# Altium PCB 0020-03_FFT2G.PcbDoc (part 10 of 16)
Units mm, origin at the board's own origin, x right, y up, seen from the top; angles counter-clockwise.
Board outline 195 x 104.5 mm, 12 copper layers (Top Layer, GND1, LVDS1, PWR1, LVDS2, PWR2, LVDS3, PWR3, SIG1, SIG2, GND2, Bottom Layer), stack 1.422 mm thick; 721 components, 650 nets, 4014 pads, 3497 vias.
Unrouted connection lines stored in the file: 78.
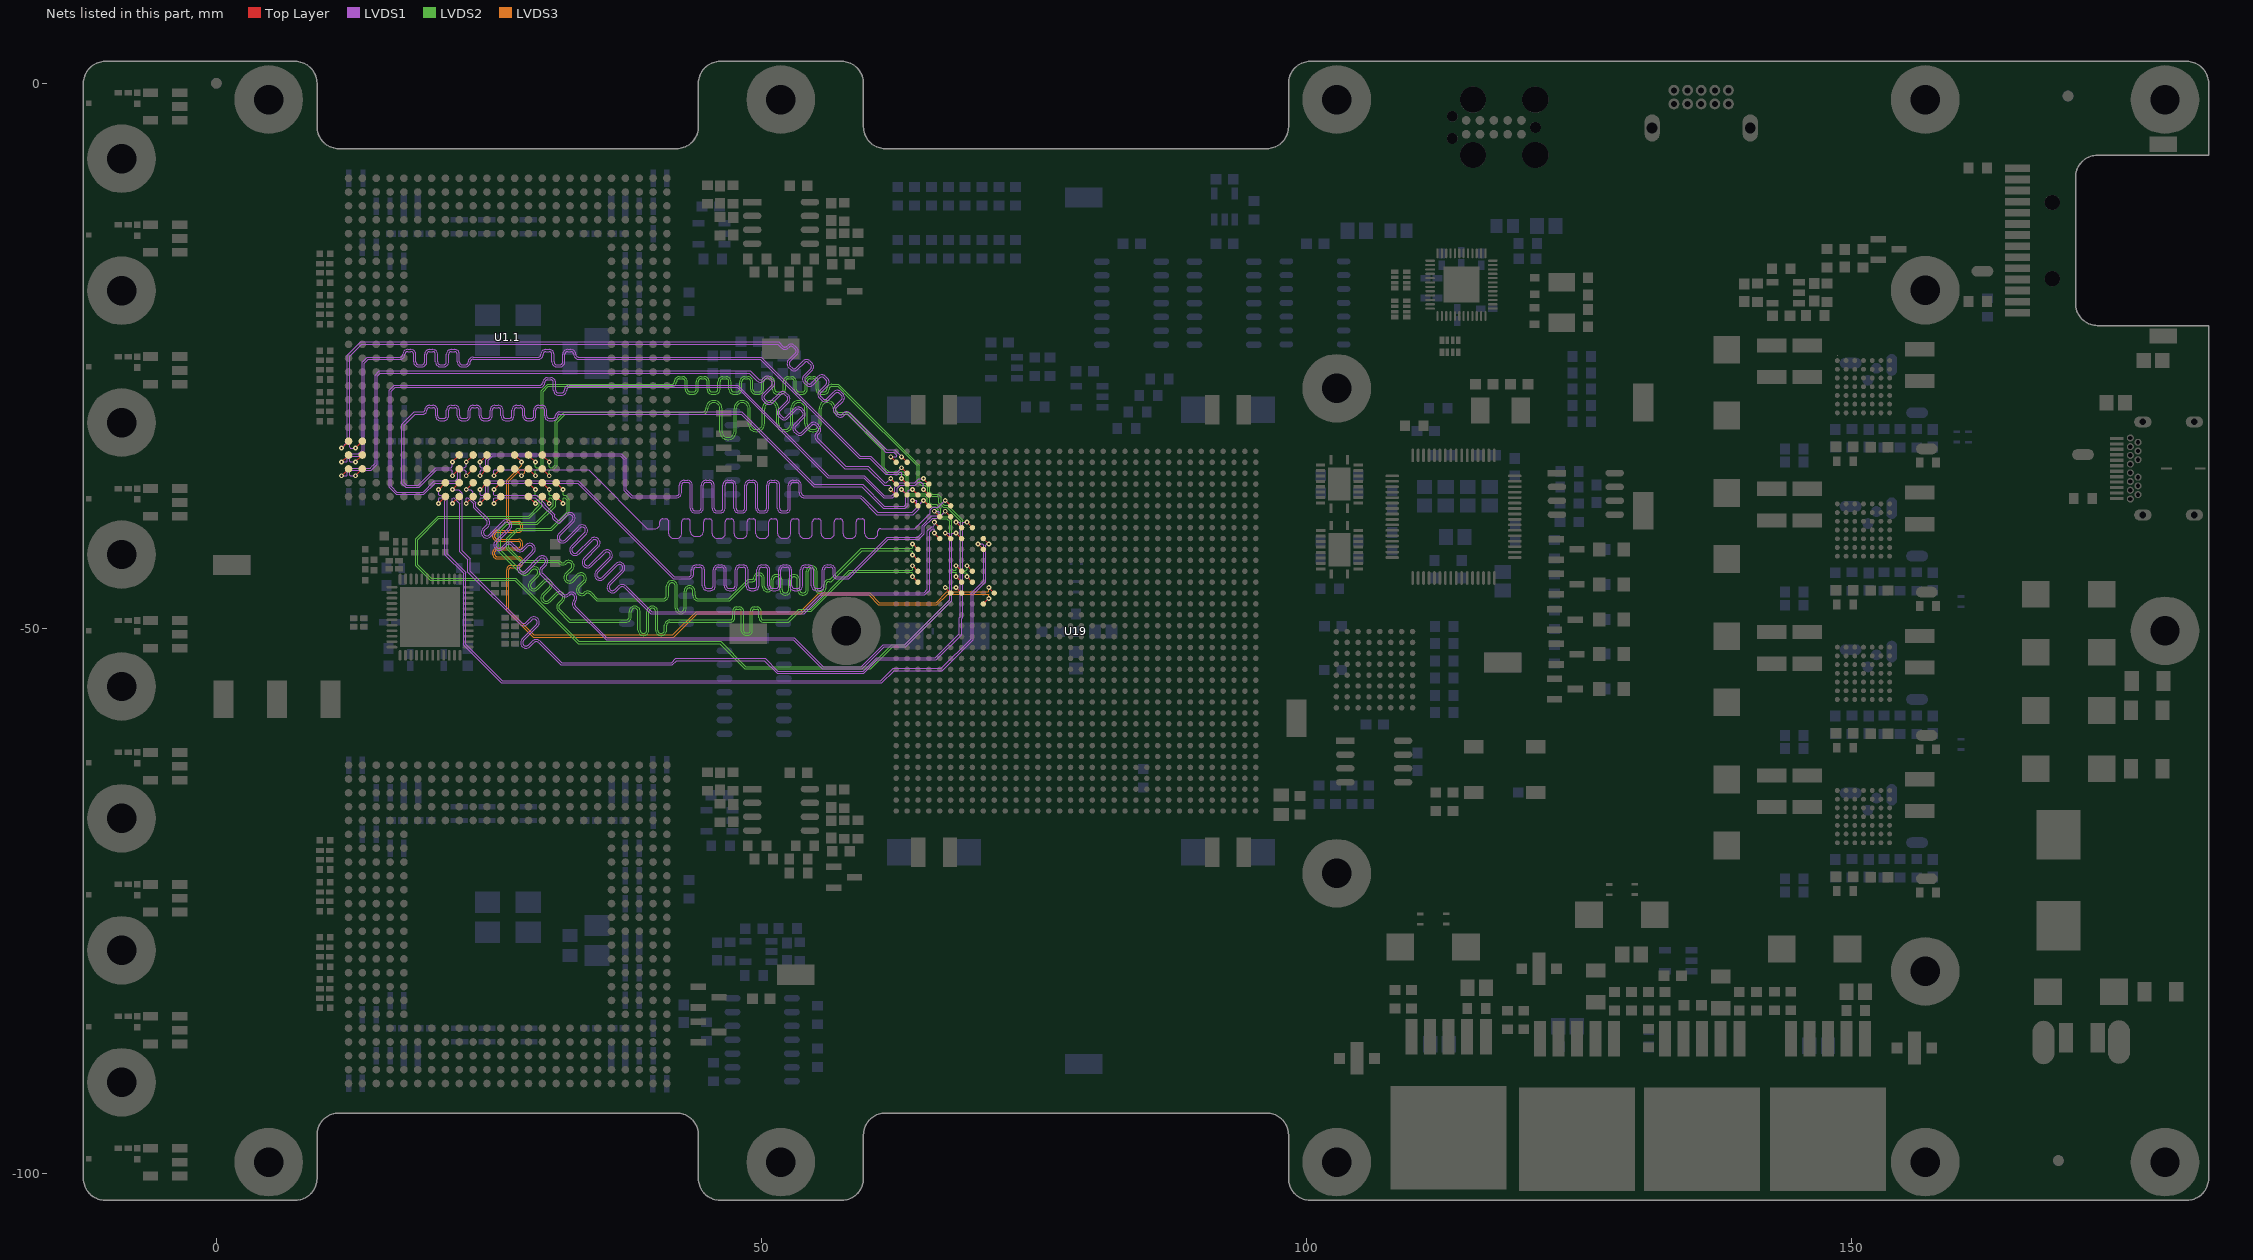
[diagram p20: the nets of this part, all layers, seen from the top]

## Via types
v1: diameter 0.45, hole 0.2, Top Layer to Bottom Layer, tented both sides, 3249 vias
v2: diameter 1, hole 0.5, Top Layer to Bottom Layer, tented both sides, 192 vias
v3: diameter 0.5, hole 0.2, Top Layer to Bottom Layer, tented both sides, 34 vias
v4: diameter 0.6, hole 0.3, Top Layer to Bottom Layer, tented both sides, 12 vias
v5: diameter 0.6, hole 0.2, Top Layer to Bottom Layer, tented both sides, 6 vias
v6: diameter 0.45/0.45/0.45/0.45/0.45/0.45/0.45 (per signal layer), hole 0.2, Top Layer to Bottom Layer, tented both sides, 4 vias

## Nets (pads, with @x,y where several pads share a name; then routed paths per layer and width w, separated by ;. In a path a pad name is that pad's centre, name@x,y a point inside that pad or via, vN(x,y) a via of type N, cw(c..) or ccw(c..) an arc to the next point about the centre after c; other vN are vias at no path point) (continued)
NA.0_P: U1.1.M3 U19.AJ29 | length 76
  Top Layer w0.1: v1(25.463,-36.022) U1.1.M3@26.098,-35.387 ; v1(66.875,-38.28) U19.AJ29@67.375,-38.78
  LVDS1 w0.1: v1(25.463,-36.022) 25.463,-35.545 25.522,-35.487 34.147,-35.487 39.535,-40.875 40.248,-40.875 ccw(c40.248,-40.425) 40.698,-40.425 40.698,-40.233 cw(c40.948,-40.233) 40.948,-39.983 41.248,-39.983 cw(c41.248,-40.233) 41.498,-40.233 41.498,-41.318 ccw(c41.948,-41.318) 41.948,-41.768 42.248,-41.768 ccw(c42.248,-41.318) 42.698,-41.318 42.698,-40.233 cw(c42.948,-40.233) 42.948,-39.983 43.248,-39.983 cw(c43.248,-40.233) 43.498,-40.233 43.498,-41.121 ccw(c43.948,-41.121) 43.948,-41.571 44.248,-41.571 ccw(c44.248,-41.121) 44.698,-41.121 44.698,-40.233 cw(c44.948,-40.233) 44.948,-39.983 45.248,-39.983 cw(c45.248,-40.233) 45.498,-40.233 45.498,-41.318 ccw(c45.948,-41.318) 45.948,-41.768 46.248,-41.768 ccw(c46.248,-41.318) 46.698,-41.318 46.698,-40.233 cw(c46.948,-40.233) 46.948,-39.983 47.248,-39.983 cw(c47.248,-40.233) 47.498,-40.233 47.498,-41.318 ccw(c47.948,-41.318) 47.948,-41.768 48.248,-41.768 ccw(c48.248,-41.318) 48.698,-41.318 48.698,-40.233 cw(c48.948,-40.233) 48.948,-39.983 49.248,-39.983 cw(c49.248,-40.233) 49.498,-40.233 49.498,-41.318 ccw(c49.948,-41.318) 49.948,-41.768 50.248,-41.768 ccw(c50.248,-41.318) 50.698,-41.318 50.698,-40.233 cw(c50.948,-40.233) 50.948,-39.983 51.248,-39.983 cw(c51.248,-40.233) 51.498,-40.233 51.498,-41.318 ccw(c51.948,-41.318) 51.948,-41.768 52.248,-41.768 ccw(c52.248,-41.318) 52.698,-41.318 52.698,-40.233 cw(c52.948,-40.233) 52.948,-39.983 53.248,-39.983 cw(c53.248,-40.233) 53.498,-40.233 53.498,-41.318 ccw(c53.948,-41.318) 53.948,-41.768 54.248,-41.768 ccw(c54.248,-41.318) 54.698,-41.318 54.698,-40.233 cw(c54.948,-40.233) 54.948,-39.983 55.248,-39.983 cw(c55.248,-40.233) 55.498,-40.233 55.498,-41.318 ccw(c55.948,-41.318) 55.948,-41.768 56.248,-41.768 ccw(c56.248,-41.318) 56.698,-41.318 56.698,-40.233 cw(c56.948,-40.233) 56.948,-39.983 57.248,-39.983 cw(c57.248,-40.233) 57.498,-40.233 57.498,-41.318 ccw(c57.948,-41.318) 57.948,-41.768 58.248,-41.768 ccw(c58.248,-41.318) 58.698,-41.318 58.698,-40.233 cw(c58.948,-40.233) 58.948,-39.983 59.248,-39.983 cw(c59.248,-40.233) 59.498,-40.233 59.498,-41.318 ccw(c59.948,-41.318) 59.948,-41.768 60.248,-41.768 ccw(c60.248,-41.318) 60.698,-41.318 60.698,-41.125 cw(c60.948,-41.125) 60.948,-40.875 64.093,-40.875 65.5,-39.468 65.5,-39.124 65.72,-38.905 66.25,-38.905 v1(66.875,-38.28)
NA.1_N: U1.1.L2 U19.AH30 | length 76
  Top Layer w0.1: v1(24.193,-37.292) U1.1.L2@24.828,-36.657 ; v1(65.875,-39.28) U19.AH30@66.375,-39.78
  LVDS1 w0.1: v1(24.193,-37.292) 24.193,-37.745 24.275,-37.827 24.482,-37.827 24.731,-37.577 24.731,-36.815 25.062,-36.485 33.218,-36.485 42.011,-45.278 43.342,-45.278 ccw(c43.342,-45.028) 43.592,-45.028 43.592,-44.656 cw(c44.042,-44.656) 44.042,-44.206 44.342,-44.206 cw(c44.342,-44.656) 44.792,-44.656 44.792,-46.1 ccw(c45.042,-46.1) 45.042,-46.35 45.342,-46.35 ccw(c45.342,-46.1) 45.592,-46.1 45.592,-44.656 cw(c46.042,-44.656) 46.042,-44.206 46.342,-44.206 cw(c46.342,-44.656) 46.792,-44.656 46.792,-46.1 ccw(c47.042,-46.1) 47.042,-46.35 47.342,-46.35 ccw(c47.342,-46.1) 47.592,-46.1 47.592,-44.656 cw(c48.042,-44.656) 48.042,-44.206 48.342,-44.206 cw(c48.342,-44.656) 48.792,-44.656 48.792,-46.1 ccw(c49.042,-46.1) 49.042,-46.35 49.342,-46.35 ccw(c49.342,-46.1) 49.592,-46.1 49.592,-44.656 cw(c50.042,-44.656) 50.042,-44.206 50.342,-44.206 cw(c50.342,-44.656) 50.792,-44.656 50.792,-46.1 ccw(c51.042,-46.1) 51.042,-46.35 51.342,-46.35 ccw(c51.342,-46.1) 51.592,-46.1 51.592,-44.656 cw(c52.042,-44.656) 52.042,-44.206 52.342,-44.206 cw(c52.342,-44.656) 52.792,-44.656 52.792,-46.1 ccw(c53.042,-46.1) 53.042,-46.35 53.342,-46.35 ccw(c53.342,-46.1) 53.592,-46.1 53.592,-44.656 cw(c54.042,-44.656) 54.042,-44.206 54.342,-44.206 cw(c54.342,-44.656) 54.792,-44.656 54.792,-46.1 ccw(c55.042,-46.1) 55.042,-46.35 55.342,-46.35 ccw(c55.342,-46.1) 55.592,-46.1 55.592,-44.656 cw(c56.042,-44.656) 56.042,-44.206 56.342,-44.206 cw(c56.342,-44.656) 56.792,-44.656 56.792,-45.157 ccw(c56.913,-45.157) 56.913,-45.278 57.947,-45.278 61.562,-41.663 64.342,-41.663 64.753,-41.252 64.753,-40.589 65.637,-39.704 66.153,-39.704 66.337,-39.521 66.337,-39.381 66.235,-39.28 v1(65.875,-39.28)
NA.1_P: U1.1.L1 U19.AH29 | length 76.1
  Top Layer w0.1: v1(24.193,-38.562) U1.1.L1@24.828,-37.927 ; v1(66.875,-39.28) U19.AH29@67.375,-39.78
  LVDS1 w0.1: v1(24.193,-38.562) 24.193,-38.109 24.275,-38.027 24.565,-38.027 24.931,-37.66 24.931,-36.898 25.144,-36.685 33.136,-36.685 41.928,-45.478 43.342,-45.478 ccw(c43.342,-45.028) 43.792,-45.028 43.792,-44.656 cw(c44.042,-44.656) 44.042,-44.406 44.342,-44.406 cw(c44.342,-44.656) 44.592,-44.656 44.592,-46.1 ccw(c45.042,-46.1) 45.042,-46.55 45.342,-46.55 ccw(c45.342,-46.1) 45.792,-46.1 45.792,-44.656 cw(c46.042,-44.656) 46.042,-44.406 46.342,-44.406 cw(c46.342,-44.656) 46.592,-44.656 46.592,-46.1 ccw(c47.042,-46.1) 47.042,-46.55 47.342,-46.55 ccw(c47.342,-46.1) 47.792,-46.1 47.792,-44.656 cw(c48.042,-44.656) 48.042,-44.406 48.342,-44.406 cw(c48.342,-44.656) 48.592,-44.656 48.592,-46.1 ccw(c49.042,-46.1) 49.042,-46.55 49.342,-46.55 ccw(c49.342,-46.1) 49.792,-46.1 49.792,-44.656 cw(c50.042,-44.656) 50.042,-44.406 50.342,-44.406 cw(c50.342,-44.656) 50.592,-44.656 50.592,-46.1 ccw(c51.042,-46.1) 51.042,-46.55 51.342,-46.55 ccw(c51.342,-46.1) 51.792,-46.1 51.792,-44.656 cw(c52.042,-44.656) 52.042,-44.406 52.342,-44.406 cw(c52.342,-44.656) 52.592,-44.656 52.592,-46.1 ccw(c53.042,-46.1) 53.042,-46.55 53.342,-46.55 ccw(c53.342,-46.1) 53.792,-46.1 53.792,-44.656 cw(c54.042,-44.656) 54.042,-44.406 54.342,-44.406 cw(c54.342,-44.656) 54.592,-44.656 54.592,-46.1 ccw(c55.042,-46.1) 55.042,-46.55 55.342,-46.55 ccw(c55.342,-46.1) 55.792,-46.1 55.792,-44.656 cw(c56.042,-44.656) 56.042,-44.406 56.342,-44.406 cw(c56.342,-44.656) 56.592,-44.656 56.592,-45.157 ccw(c56.913,-45.157) 56.913,-45.478 58.03,-45.478 61.645,-41.863 64.425,-41.863 64.953,-41.335 64.953,-40.672 65.72,-39.904 66.251,-39.904 v1(66.875,-39.28)
NA.2_N: U1.1.L4 U19.AJ32 | length 75.3
  Top Layer w0.1: v1(24.193,-34.752) U1.1.L4@24.828,-34.117 ; v1(63.875,-38.28) U19.AJ32@64.375,-38.78
  LVDS1 w0.1: v1(24.193,-34.752) 24.193,-35.18 24.3,-35.287 24.558,-35.287 24.731,-35.114 24.731,-34.529 25.262,-33.999 37.159,-33.999 37.606,-34.447 37.606,-37.295 38.146,-37.835 42.23,-37.835 ccw(c42.23,-37.585) 42.48,-37.585 42.48,-36.885 cw(c42.93,-36.885) 42.93,-36.435 43.23,-36.435 cw(c43.23,-36.885) 43.68,-36.885 43.68,-38.985 ccw(c43.93,-38.985) 43.93,-39.235 44.23,-39.235 ccw(c44.23,-38.985) 44.48,-38.985 44.48,-36.885 cw(c44.93,-36.885) 44.93,-36.435 45.23,-36.435 cw(c45.23,-36.885) 45.68,-36.885 45.68,-38.985 ccw(c45.93,-38.985) 45.93,-39.235 46.23,-39.235 ccw(c46.23,-38.985) 46.48,-38.985 46.48,-36.885 cw(c46.93,-36.885) 46.93,-36.435 47.23,-36.435 cw(c47.23,-36.885) 47.68,-36.885 47.68,-38.985 ccw(c47.93,-38.985) 47.93,-39.235 48.23,-39.235 ccw(c48.23,-38.985) 48.48,-38.985 48.48,-36.885 cw(c48.93,-36.885) 48.93,-36.435 49.23,-36.435 cw(c49.23,-36.885) 49.68,-36.885 49.68,-38.985 ccw(c49.93,-38.985) 49.93,-39.235 50.23,-39.235 ccw(c50.23,-38.985) 50.48,-38.985 50.48,-36.885 cw(c50.93,-36.885) 50.93,-36.435 51.23,-36.435 cw(c51.23,-36.885) 51.68,-36.885 51.68,-38.985 ccw(c51.93,-38.985) 51.93,-39.235 52.23,-39.235 ccw(c52.23,-38.985) 52.48,-38.985 52.48,-36.885 cw(c52.93,-36.885) 52.93,-36.435 53.23,-36.435 cw(c53.23,-36.885) 53.68,-36.885 53.68,-37.585 ccw(c53.93,-37.585) 53.93,-37.835 59.146,-37.835 59.353,-38.041 60.688,-39.377 63.863,-39.377 64.275,-38.964 64.275,-38.338 64.217,-38.28 v1(63.875,-38.28)
NA.2_P: U1.1.L3 U19.AJ31 | length 75.5
  Top Layer w0.1: v1(24.193,-36.022) U1.1.L3@24.828,-35.387 ; v1(64.875,-38.28) U19.AJ31@65.375,-38.78
  LVDS1 w0.1: v1(24.193,-36.022) 24.193,-35.593 24.3,-35.487 24.641,-35.487 24.931,-35.196 24.931,-34.612 25.344,-34.199 37.076,-34.199 37.406,-34.529 37.406,-37.378 38.063,-38.035 42.23,-38.035 ccw(c42.23,-37.585) 42.68,-37.585 42.68,-36.885 cw(c42.93,-36.885) 42.93,-36.635 43.23,-36.635 cw(c43.23,-36.885) 43.48,-36.885 43.48,-38.985 ccw(c43.93,-38.985) 43.93,-39.435 44.23,-39.435 ccw(c44.23,-38.985) 44.68,-38.985 44.68,-36.885 cw(c44.93,-36.885) 44.93,-36.635 45.23,-36.635 cw(c45.23,-36.885) 45.48,-36.885 45.48,-38.985 ccw(c45.93,-38.985) 45.93,-39.435 46.23,-39.435 ccw(c46.23,-38.985) 46.68,-38.985 46.68,-36.885 cw(c46.93,-36.885) 46.93,-36.635 47.23,-36.635 cw(c47.23,-36.885) 47.48,-36.885 47.48,-38.985 ccw(c47.93,-38.985) 47.93,-39.435 48.23,-39.435 ccw(c48.23,-38.985) 48.68,-38.985 48.68,-36.885 cw(c48.93,-36.885) 48.93,-36.635 49.23,-36.635 cw(c49.23,-36.885) 49.48,-36.885 49.48,-38.985 ccw(c49.93,-38.985) 49.93,-39.435 50.23,-39.435 ccw(c50.23,-38.985) 50.68,-38.985 50.68,-36.885 cw(c50.93,-36.885) 50.93,-36.635 51.23,-36.635 cw(c51.23,-36.885) 51.48,-36.885 51.48,-38.985 ccw(c51.93,-38.985) 51.93,-39.435 52.23,-39.435 ccw(c52.23,-38.985) 52.68,-38.985 52.68,-36.885 cw(c52.93,-36.885) 52.93,-36.635 53.23,-36.635 cw(c53.23,-36.885) 53.48,-36.885 53.48,-37.585 ccw(c53.93,-37.585) 53.93,-38.035 59.063,-38.035 60.605,-39.577 63.946,-39.577 64.475,-39.047 64.475,-38.68 v1(64.875,-38.28)
NA.3_N: U1.1.K2 U19.AF29 | length 75.8
  Top Layer w0.1: v1(22.923,-37.292) U1.1.K2@23.558,-36.657 ; v1(66.875,-41.28) U19.AF29@67.375,-41.78
  LVDS1 w0.1: v1(22.923,-37.292) 23.342,-37.292 23.525,-37.475 23.525,-38.204 23.818,-38.497 23.818,-38.871 24.923,-39.976 cw(c24.567,-40.333) 25.071,-40.333 cw(c24.567,-40.333) 24.923,-40.689 24.597,-41.016 ccw(c24.812,-41.231) 25.027,-41.446 26.251,-40.221 cw(c26.608,-40.577) 27.112,-40.577 cw(c26.608,-40.577) 26.964,-40.934 25.739,-42.158 ccw(c25.954,-42.373) 26.169,-42.588 26.496,-42.262 cw(c26.852,-42.618) 27.209,-42.262 27.541,-42.594 27.647,-42.7 ccw(c27.862,-42.485) 28.077,-42.7 28.404,-42.373 cw(c28.76,-42.73) 29.117,-42.373 cw(c28.76,-42.73) 29.264,-42.73 cw(c28.76,-42.73) 29.117,-43.086 27.892,-44.311 ccw(c28.107,-44.526) 27.892,-44.741 ccw(c28.107,-44.526) 28.322,-44.741 29.546,-43.516 cw(c29.903,-43.872) 30.259,-43.516 cw(c29.903,-43.872) 30.407,-43.872 cw(c29.903,-43.872) 30.259,-44.229 29.933,-44.555 ccw(c30.147,-44.77) 29.933,-44.985 31.798,-46.851 ccw(c32.013,-46.636) 32.228,-46.851 cw(c32.585,-47.208) 32.941,-46.851 cw(c32.585,-47.208) 33.089,-47.208 cw(c32.585,-47.208) 32.941,-47.564 ccw(c33.156,-47.779) 32.941,-47.994 35.835,-50.887 53.026,-50.887 55.688,-53.55 59.167,-53.55 61.192,-51.525 63.16,-51.525 67.275,-47.41 67.275,-41.338 67.217,-41.28 v1(66.875,-41.28)
NA.3_P: U1.1.K1 U19.AF28 | length 75.9
  Top Layer w0.1: v1(22.923,-38.562) U1.1.K1@23.558,-37.927 ; v1(67.875,-41.28) U19.AF28@68.375,-41.78
  LVDS1 w0.1: v1(22.923,-38.562) 22.923,-38.085 22.982,-38.027 23.065,-38.027 23.618,-38.58 23.618,-38.954 24.782,-40.118 cw(c24.567,-40.333) 24.871,-40.333 cw(c24.567,-40.333) 24.782,-40.548 24.455,-40.874 ccw(c24.812,-41.231) 25.168,-41.587 26.393,-40.362 cw(c26.608,-40.577) 26.912,-40.577 cw(c26.608,-40.577) 26.823,-40.792 25.598,-42.017 ccw(c25.954,-42.373) 26.311,-42.73 26.637,-42.403 cw(c26.852,-42.618) 27.067,-42.403 27.4,-42.735 27.506,-42.841 ccw(c27.862,-42.485) 28.219,-42.841 28.545,-42.515 cw(c28.76,-42.73) 28.975,-42.515 cw(c28.76,-42.73) 29.064,-42.73 cw(c28.76,-42.73) 28.975,-42.945 27.75,-44.169 ccw(c28.107,-44.526) 27.75,-44.882 ccw(c28.107,-44.526) 28.463,-44.882 29.688,-43.657 cw(c29.903,-43.872) 30.118,-43.657 cw(c29.903,-43.872) 30.207,-43.872 cw(c29.903,-43.872) 30.118,-44.087 29.791,-44.414 ccw(c30.147,-44.77) 29.791,-45.127 31.657,-46.993 ccw(c32.013,-46.636) 32.37,-46.993 cw(c32.585,-47.208) 32.8,-46.993 cw(c32.585,-47.208) 32.889,-47.208 cw(c32.585,-47.208) 32.8,-47.423 ccw(c33.156,-47.779) 32.8,-48.135 35.752,-51.087 52.943,-51.087 55.605,-53.75 59.25,-53.75 61.275,-51.725 63.243,-51.725 67.475,-47.493 67.475,-41.338 67.534,-41.28 v1(67.875,-41.28)
NA.4_N: U1.1.K4 U19.AK31 | length 75.7
  Top Layer w0.1: v1(22.923,-34.752) U1.1.K4@23.558,-34.117 ; v1(64.875,-37.28) U19.AK31@65.375,-37.78
  LVDS1 w0.1: v1(22.923,-34.752) 22.923,-35.13 22.766,-35.287 22.439,-35.287 22.169,-35.556 22.169,-36.228 21.912,-36.485 20.004,-36.485 18.963,-37.526 16.568,-37.526 16.041,-36.999 16.041,-28.274 16.397,-27.918 29.682,-27.918 ccw(c29.682,-27.468) 30.132,-27.468 cw(c30.382,-27.468) 30.382,-27.218 30.682,-27.218 cw(c30.682,-27.468) 30.932,-27.468 30.932,-28.168 ccw(c31.382,-28.168) 31.382,-28.618 31.682,-28.618 ccw(c31.682,-28.168) 32.132,-28.168 cw(c32.382,-28.168) 32.382,-27.918 47.778,-27.918 56.084,-36.224 59.386,-36.224 61.215,-38.053 62.069,-38.053 62.466,-37.656 62.466,-37.159 62.745,-36.88 64.142,-36.88 64.41,-36.612 64.66,-36.612 64.866,-36.818 64.866,-37.27 v1(64.875,-37.28)
NA.4_P: U1.1.K3 U19.AL31 | length 75.9
  Top Layer w0.1: v1(22.923,-36.022) U1.1.K3@23.558,-35.387 ; v1(64.875,-36.28) U19.AL31@65.375,-36.78
  LVDS1 w0.1: v1(22.923,-36.022) 22.923,-35.643 22.766,-35.487 22.522,-35.487 22.369,-35.639 22.369,-36.311 21.995,-36.685 20.086,-36.685 19.046,-37.726 16.485,-37.726 15.841,-37.082 15.841,-28.191 15.936,-28.096 16.314,-27.718 29.682,-27.718 ccw(c29.682,-27.468) 29.932,-27.468 cw(c30.382,-27.468) 30.382,-27.018 30.682,-27.018 cw(c30.682,-27.468) 31.132,-27.468 31.132,-28.168 ccw(c31.382,-28.168) 31.382,-28.418 31.682,-28.418 ccw(c31.682,-28.168) 31.932,-28.168 cw(c32.382,-28.168) 32.382,-27.718 47.861,-27.718 56.167,-36.024 59.469,-36.024 61.298,-37.853 61.987,-37.853 62.266,-37.573 62.266,-37.076 62.662,-36.68 64.059,-36.68 64.459,-36.28 v1(64.875,-36.28)
NA.5_N: U1.1.J2 U19.AG28 | length 75.4
  Top Layer w0.1: v1(21.653,-37.292) U1.1.J2@22.288,-36.657 ; v1(67.875,-40.28) U19.AG28@68.375,-40.78
  LVDS1 w0.1: v1(21.653,-37.292) 22.217,-37.292 22.548,-37.623 22.548,-42.892 23.286,-43.63 23.286,-44.778 27.986,-49.477 ccw(c28.201,-49.262) 28.416,-49.477 28.778,-49.115 cw(c29.134,-49.472) 29.638,-49.472 cw(c29.134,-49.472) 29.49,-49.828 28.195,-51.123 ccw(c28.41,-51.338) 28.625,-51.553 28.987,-51.191 cw(c29.343,-51.548) 29.7,-51.191 31.673,-53.165 41.769,-53.165 42.16,-52.774 50.351,-52.774 51.527,-53.95 59.332,-53.95 60.578,-52.705 65.981,-52.705 68.175,-50.51 68.175,-49.037 68.275,-48.936 68.275,-40.338 68.217,-40.28 v1(67.875,-40.28)
NA.5_P: U1.1.J1 U19.AG27 | length 75.5
  Top Layer w0.1: v1(21.653,-38.562) U1.1.J1@22.288,-37.927 ; v1(68.875,-40.28) U19.AG27@69.375,-40.78
  LVDS1 w0.1: v1(21.653,-38.562) 21.653,-38.085 21.712,-38.027 21.795,-38.027 22.348,-38.58 22.348,-42.975 23.086,-43.713 23.086,-44.861 27.844,-49.619 ccw(c28.201,-49.262) 28.557,-49.619 28.919,-49.257 cw(c29.134,-49.472) 29.438,-49.472 cw(c29.134,-49.472) 29.349,-49.686 28.054,-50.982 ccw(c28.41,-51.338) 28.766,-51.695 29.128,-51.333 cw(c29.343,-51.548) 29.558,-51.333 31.59,-53.365 41.851,-53.365 42.243,-52.974 50.268,-52.974 51.444,-54.15 59.415,-54.15 60.66,-52.905 66.063,-52.905 68.375,-50.593 68.375,-49.12 68.475,-49.019 68.475,-40.338 68.534,-40.28 v1(68.875,-40.28)
NA.6_N: U1.1.J4 U19.AK32 | length 75.3
  Top Layer w0.1: v1(21.653,-34.752) U1.1.J4@22.288,-34.117 ; v1(63.875,-37.28) U19.AK32@64.375,-37.78
  LVDS1 w0.1: v1(21.653,-34.752) 21.653,-35.164 21.531,-35.287 20.135,-35.287 18.53,-36.892 18.32,-36.892 17.467,-36.892 17.229,-36.653 17.229,-31.381 18.246,-30.364 18.962,-30.364 ccw(c18.962,-30.014) 19.312,-30.014 cw(c19.562,-30.014) 19.562,-29.764 19.862,-29.764 cw(c19.862,-30.014) 20.112,-30.014 20.112,-30.514 ccw(c20.562,-30.514) 20.562,-30.964 20.862,-30.964 ccw(c20.862,-30.514) 21.312,-30.514 21.312,-30.014 cw(c21.562,-30.014) 21.562,-29.764 21.862,-29.764 cw(c21.862,-30.014) 22.112,-30.014 22.112,-30.514 ccw(c22.562,-30.514) 22.562,-30.964 22.862,-30.964 ccw(c22.862,-30.514) 23.312,-30.514 23.312,-30.014 cw(c23.562,-30.014) 23.562,-29.764 23.862,-29.764 cw(c23.862,-30.014) 24.112,-30.014 24.112,-30.514 ccw(c24.562,-30.514) 24.562,-30.964 24.862,-30.964 ccw(c24.862,-30.514) 25.312,-30.514 25.312,-30.014 cw(c25.562,-30.014) 25.562,-29.764 25.862,-29.764 cw(c25.862,-30.014) 26.112,-30.014 26.112,-30.514 ccw(c26.562,-30.514) 26.562,-30.964 26.862,-30.964 ccw(c26.862,-30.514) 27.312,-30.514 27.312,-30.014 cw(c27.562,-30.014) 27.562,-29.764 27.862,-29.764 cw(c27.862,-30.014) 28.112,-30.014 28.112,-30.514 ccw(c28.562,-30.514) 28.562,-30.964 28.862,-30.964 ccw(c28.862,-30.514) 29.312,-30.514 29.312,-30.014 cw(c29.562,-30.014) 29.562,-29.764 29.862,-29.764 cw(c29.862,-30.014) 30.112,-30.014 30.112,-30.514 ccw(c30.562,-30.514) 30.562,-30.964 30.862,-30.964 ccw(c30.862,-30.514) 31.312,-30.514 cw(c31.462,-30.514) 31.462,-30.364 48.143,-30.364 54.794,-37.014 59.211,-37.014 61.088,-38.891 61.194,-38.997 63.219,-38.997 63.475,-38.74 63.475,-37.363 63.559,-37.28 v1(63.875,-37.28)
NA.6_P: U1.1.J3 U19.AK33 | length 75.4
  Top Layer w0.1: v1(21.653,-36.022) U1.1.J3@22.288,-35.387 ; v1(62.875,-37.28) U19.AK33@63.375,-37.78
  LVDS1 w0.1: v1(21.653,-36.022) 21.653,-35.609 21.531,-35.487 20.218,-35.487 18.613,-37.092 18.32,-37.092 17.384,-37.092 17.029,-36.736 17.029,-31.299 18.163,-30.164 18.962,-30.164 ccw(c18.962,-30.014) 19.112,-30.014 cw(c19.562,-30.014) 19.562,-29.564 19.862,-29.564 cw(c19.862,-30.014) 20.312,-30.014 20.312,-30.514 ccw(c20.562,-30.514) 20.562,-30.764 20.862,-30.764 ccw(c20.862,-30.514) 21.112,-30.514 21.112,-30.014 cw(c21.562,-30.014) 21.562,-29.564 21.862,-29.564 cw(c21.862,-30.014) 22.312,-30.014 22.312,-30.514 ccw(c22.562,-30.514) 22.562,-30.764 22.862,-30.764 ccw(c22.862,-30.514) 23.112,-30.514 23.112,-30.014 cw(c23.562,-30.014) 23.562,-29.564 23.862,-29.564 cw(c23.862,-30.014) 24.312,-30.014 24.312,-30.514 ccw(c24.562,-30.514) 24.562,-30.764 24.862,-30.764 ccw(c24.862,-30.514) 25.112,-30.514 25.112,-30.014 cw(c25.562,-30.014) 25.562,-29.564 25.862,-29.564 cw(c25.862,-30.014) 26.312,-30.014 26.312,-30.514 ccw(c26.562,-30.514) 26.562,-30.764 26.862,-30.764 ccw(c26.862,-30.514) 27.112,-30.514 27.112,-30.014 cw(c27.562,-30.014) 27.562,-29.564 27.862,-29.564 cw(c27.862,-30.014) 28.312,-30.014 28.312,-30.514 ccw(c28.562,-30.514) 28.562,-30.764 28.862,-30.764 ccw(c28.862,-30.514) 29.112,-30.514 29.112,-30.014 cw(c29.562,-30.014) 29.562,-29.564 29.862,-29.564 cw(c29.862,-30.014) 30.312,-30.014 30.312,-30.514 ccw(c30.562,-30.514) 30.562,-30.764 30.862,-30.764 ccw(c30.862,-30.514) 31.112,-30.514 cw(c31.462,-30.514) 31.462,-30.164 48.226,-30.164 54.877,-36.814 59.294,-36.814 61.276,-38.797 63.136,-38.797 63.275,-38.658 63.275,-37.68 v1(62.875,-37.28)
NA.7_N: U1.1.H2 U19.AE26 | length 76
  Top Layer w0.1: v1(20.383,-37.292) U1.1.H2@21.018,-36.657 ; v1(69.875,-42.28) U19.AE26@70.375,-42.78
  LVDS1 w0.1: v1(20.383,-37.292) 20.383,-37.746 20.464,-37.827 20.866,-37.827 21.172,-38.133 21.172,-43.165 22.886,-44.879 22.886,-51.477 26.237,-54.828 60.982,-54.828 62.121,-53.689 66.532,-53.689 69.251,-50.97 69.251,-46.812 69.407,-46.656 70.401,-45.663 70.401,-42.403 70.277,-42.28 v1(69.875,-42.28)
NA.7_P: U1.1.H1 U19.AF26 | length 76.1
  Top Layer w0.1: v1(20.383,-38.562) U1.1.H1@21.018,-37.927 ; U19.AF26@70.375,-41.78 v1(70.875,-42.28)
  LVDS1 w0.1: v1(20.383,-38.562) 20.383,-38.108 20.464,-38.027 20.783,-38.027 20.972,-38.216 20.972,-43.248 22.686,-44.962 22.686,-51.56 26.154,-55.028 61.065,-55.028 62.204,-53.889 66.615,-53.889 69.451,-51.053 69.451,-46.895 69.607,-46.739 70.601,-45.745 70.601,-42.407 70.728,-42.28 v1(70.875,-42.28)
NA.8_N: U1.1.B3 U19.AK34 | length 75.4
  Top Layer w0.1: v1(12.763,-36.022) U1.1.B3@13.398,-35.387 ; v1(61.875,-37.28) U19.AK34@62.375,-37.78
  LVDS1 w0.1: v1(12.763,-36.022) 12.298,-36.022 12.228,-35.952 12.228,-35.659 12.367,-35.52 14.205,-35.52 14.362,-35.363 14.518,-35.207 14.771,-34.954 14.771,-26.865 15.032,-26.605 48.913,-26.605 49.604,-27.295 ccw(c49.922,-26.977) 50.24,-27.295 50.381,-27.153 cw(c50.558,-27.33) 50.735,-27.153 50.947,-27.366 cw(c50.77,-27.542) 51.02,-27.542 cw(c50.77,-27.542) 50.947,-27.719 50.169,-28.497 ccw(c50.487,-28.815) 50.169,-29.133 50.381,-29.346 ccw(c50.7,-29.027) 51.018,-29.346 51.796,-28.568 cw(c51.972,-28.744) 52.149,-28.568 52.361,-28.78 cw(c52.185,-28.957) 52.435,-28.957 cw(c52.185,-28.957) 52.361,-29.133 51.583,-29.911 ccw(c51.902,-30.229) 51.583,-30.548 51.796,-30.76 ccw(c52.114,-30.442) 52.432,-30.76 53.21,-29.982 cw(c53.387,-30.159) 53.563,-29.982 53.776,-30.194 cw(c53.599,-30.371) 53.849,-30.371 cw(c53.599,-30.371) 53.776,-30.548 52.998,-31.325 ccw(c53.316,-31.644) 52.998,-31.962 53.21,-32.174 ccw(c53.528,-31.856) 53.846,-32.174 54.624,-31.396 cw(c54.801,-31.573) 54.978,-31.396 55.19,-31.608 cw(c55.013,-31.785) 55.263,-31.785 cw(c55.013,-31.785) 55.19,-31.962 55.048,-32.103 ccw(c55.367,-32.421) 55.048,-32.74 57.669,-35.36 59.745,-35.36 61.264,-36.88 61.763,-36.88 61.875,-36.992 v1(61.875,-37.28)